# KiCad board mainboard.stretch_bkup.kicad_pcb
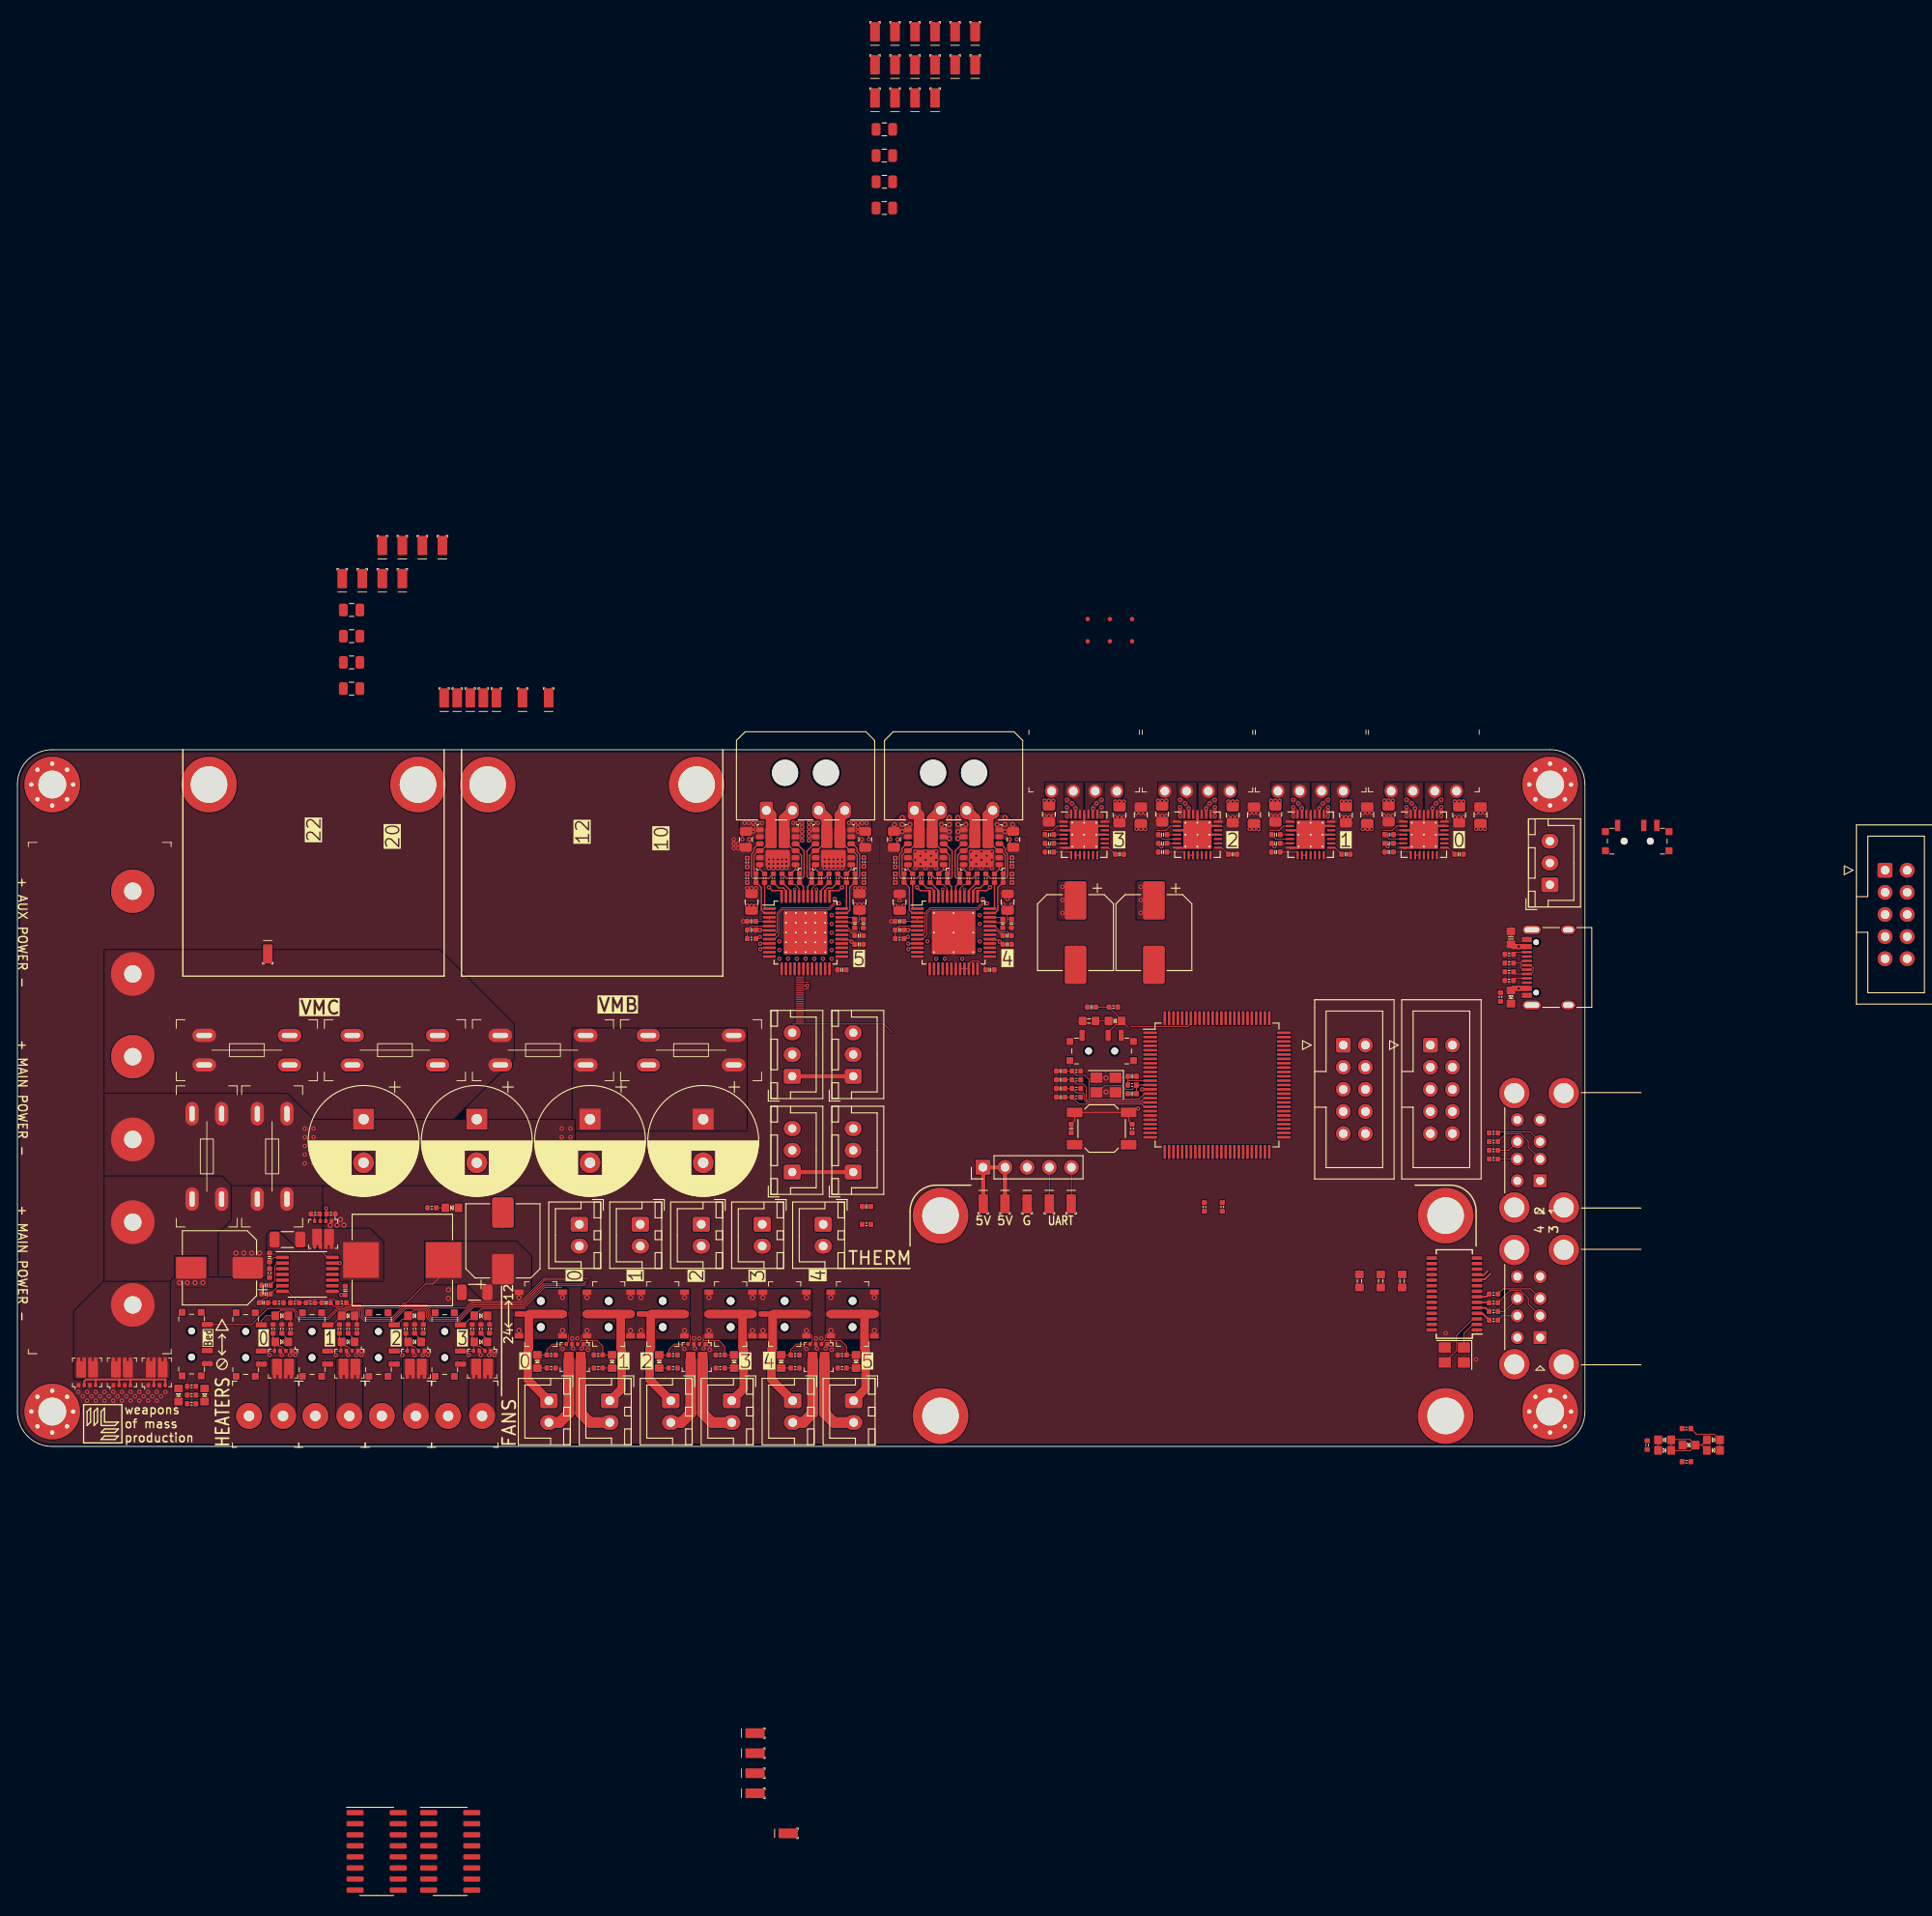
[diagram p0: board, top side]
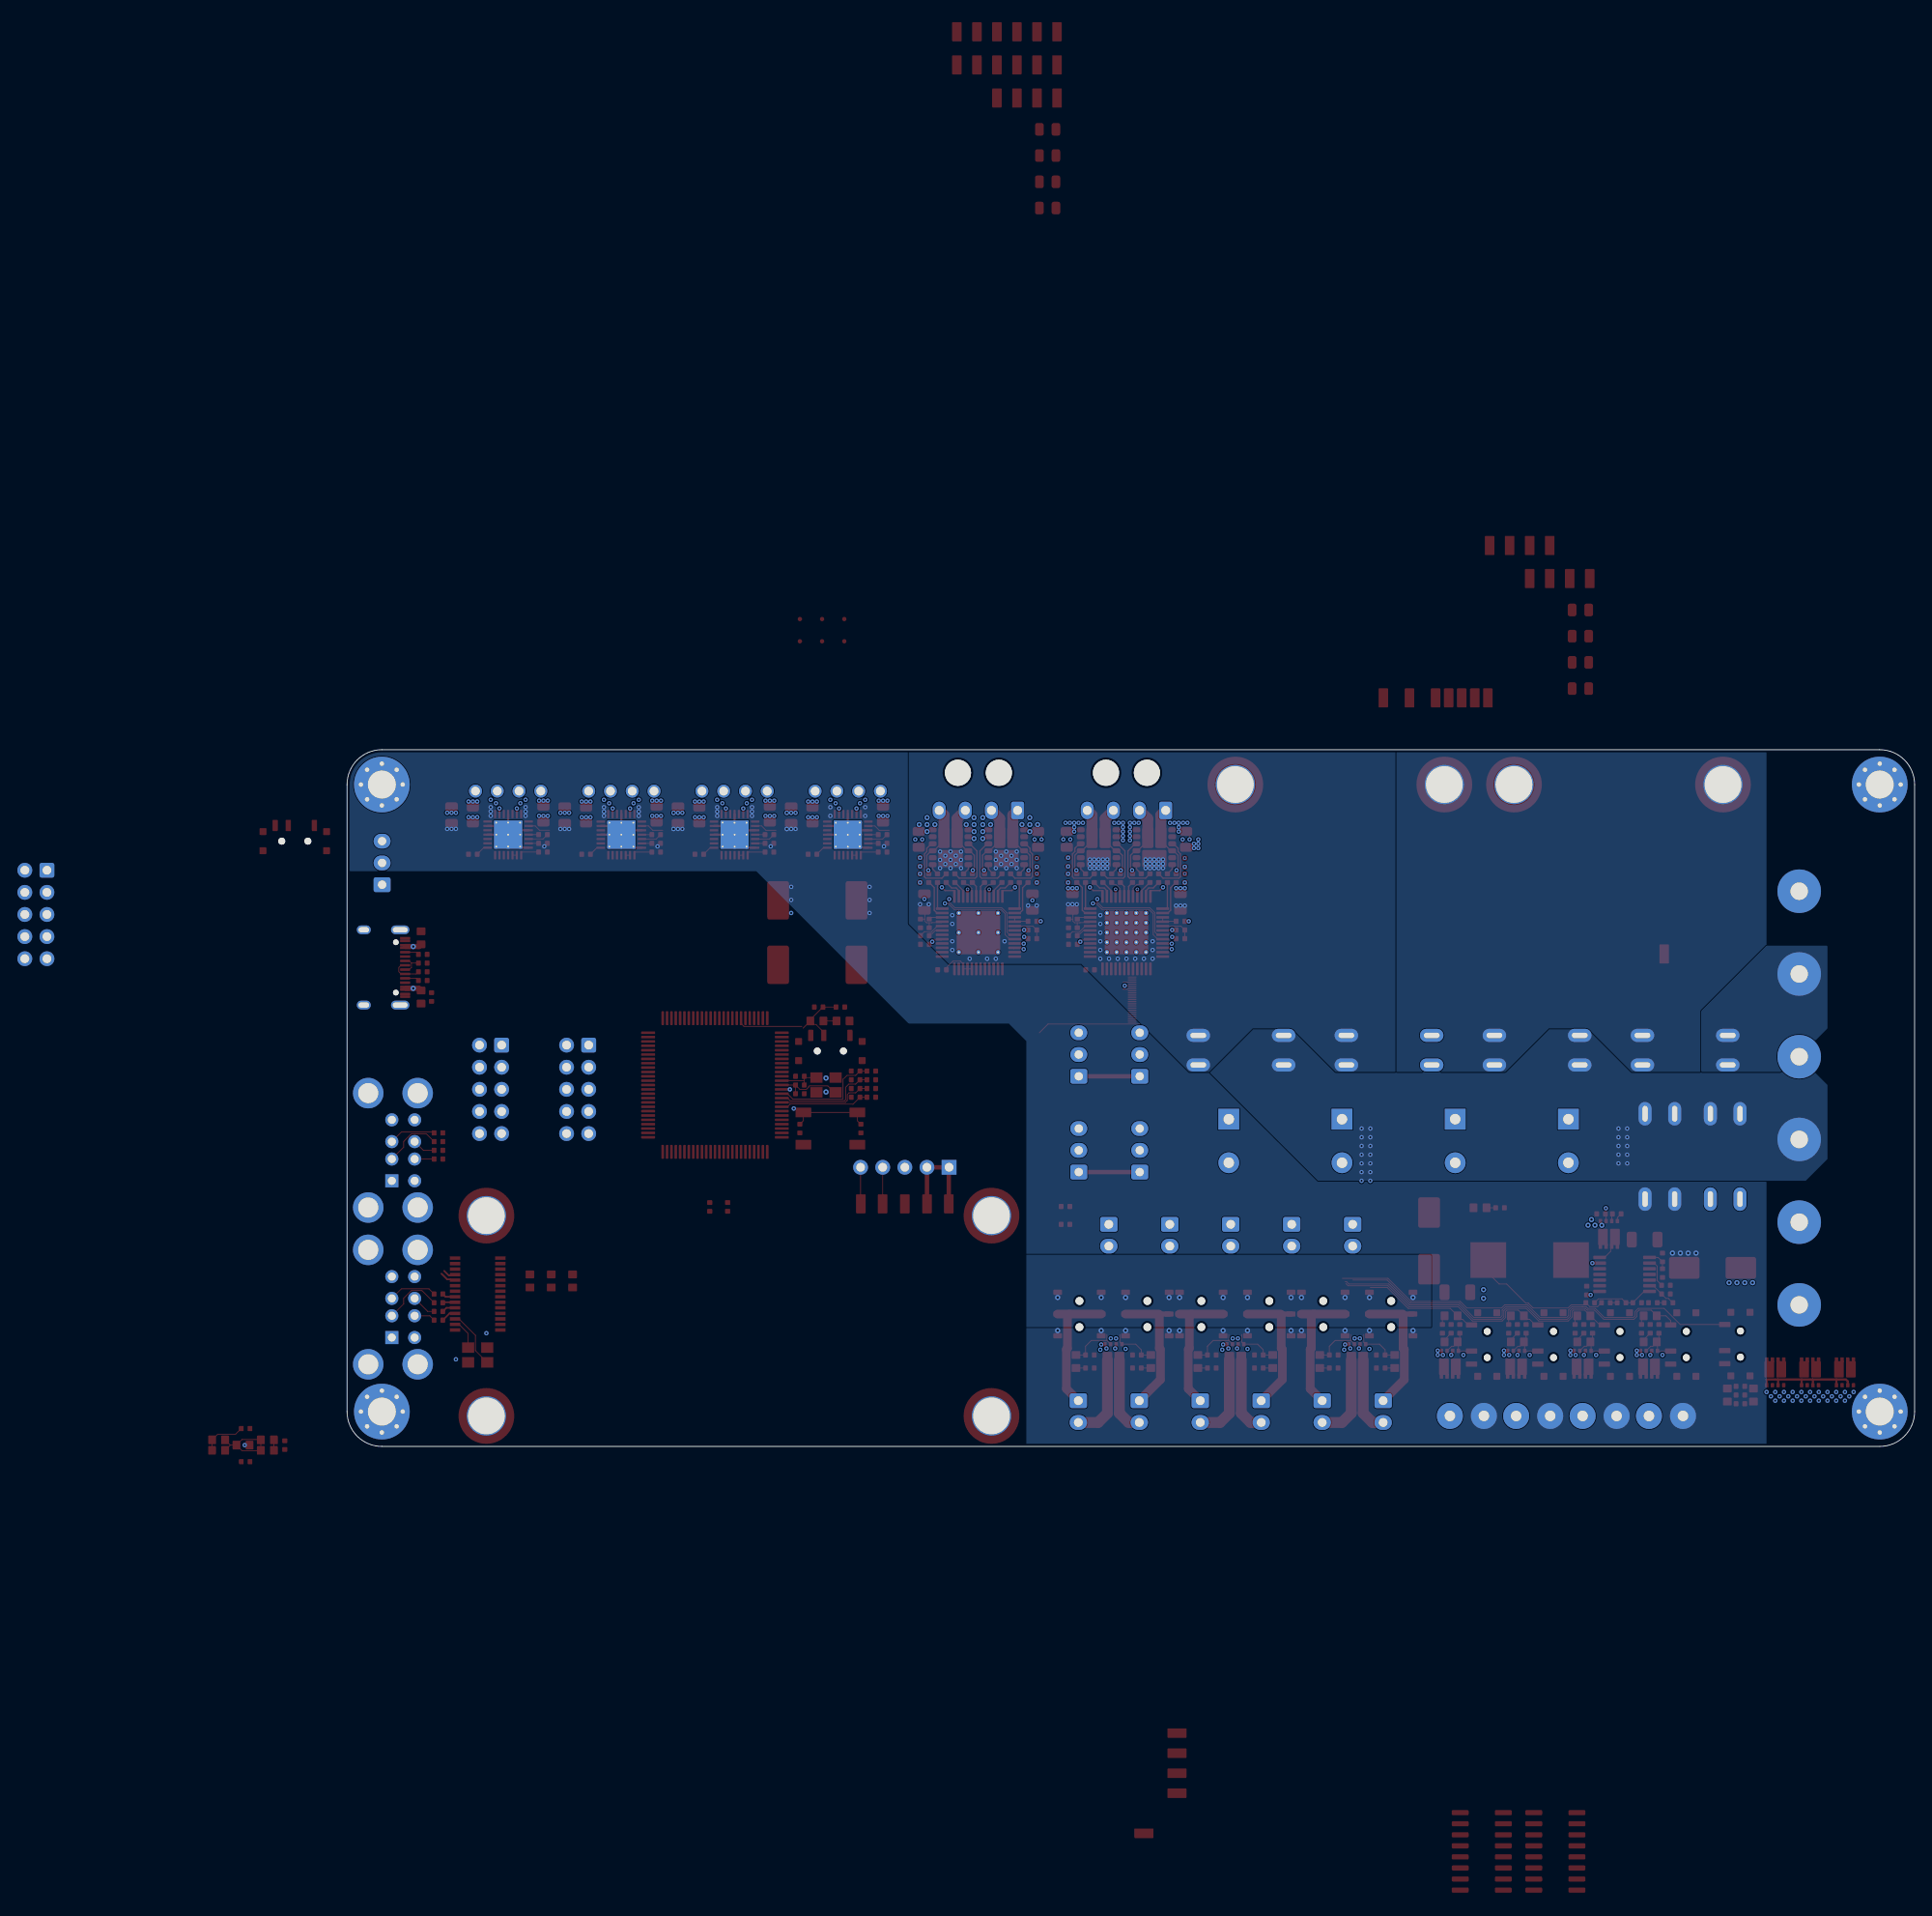
[diagram p1: board, bottom side, seen from below]

Outline 180 x 80 mm; copper layers: Top, In1.Cu (plane), In2.Cu (plane), Bottom. Coordinates in mm from the lower left corner of the outline.
Outline path: 0,76 arc(1.17,78.83) 4,80 176,80 arc(178.83,78.83) 180,76 180,4 arc(178.83,1.17) 176,0 4,0 arc(1.17,1.17) 0,4 0,76
Stack: Top 0.035mm / dielectric 0.1mm FR4 er 4.5 / In1.Cu 0.035mm / dielectric 1.24mm FR4 er 4.5 / In2.Cu 0.035mm / dielectric 0.1mm FR4 er 4.5 / Bottom 0.035mm

## Placement (name value [footprint] x y rotation side)
C1  100nF  [0402C]  123.35 50.45 0 top
C2  20pF  [0402C]  128 42.5 180 top
C3  20pF  [0402C]  128 40.5 0 top
C4  100nF  [0402C]  121 36.5 90 top
C5  10μF  [0603C]  171.5 58.4 90 top
C6  220μF 35V  [CP_Elec_8x10.5]  130.5 59 270 top
C7  470μF 63V  [CP_Radial_D12.5mm_P5.00mm]  39.75 37.57 270 top
C8  220μF 35V  [CP_Elec_8x10.5]  121.5 59 270 top
C9  470μF 63V  [CP_Radial_D12.5mm_P5.00mm]  52.75 37.57 270 top
C10  100nF  [0402C]  165.55 68 0 top
C11  1μF  [0402C]  157.5 68.25 0 top
C12  100nF 16V  [0402C]  157.5 69.25 180 top
C13  22nF 50V  [0402C]  157.5 70.25 180 top
C14  1μF  [C_0805_2012Metric]  168 72.51 270 top
C15  470nF  [0402C]  111.68 54.72 180 top
C16  100nF  [0402C]  152.55 68 0 top
C17  1μF  [0402C]  144.5 68.25 0 top
C18  100nF 16V  [0402C]  144.5 69.25 180 top
C19  22nF 50V  [0402C]  144.5 70.25 180 top
C20  1μF  [C_0805_2012Metric]  155 72.51 270 top
C21  470nF  [0402C]  94.68 54.72 0 top
C22  100nF  [0402C]  139.55 68 0 top
C23  1μF  [0402C]  131.5 68.25 0 top
C24  100nF 16V  [0402C]  131.5 69.25 180 top
C25  22nF 50V  [0402C]  131.5 70.25 180 top
C26  1μF  [C_0805_2012Metric]  142 72.51 270 top
C27  470μF 63V  [CP_Radial_D12.5mm_P5.00mm]  78.75 37.57 270 top
C28  100nF  [0402C]  126.55 68 0 top
C29  1μF  [0402C]  118.5 68.25 0 top
C30  100nF 16V  [0402C]  118.5 69.25 180 top
C31  22nF 50V  [0402C]  118.5 70.25 180 top
C32  1μF  [C_0805_2012Metric]  129 72.51 270 top
C33  470μF 63V  [CP_Radial_D12.5mm_P5.00mm]  65.75 37.57 270 top
C34  100nF 16V  [0402C]  113.15 60.05 270 top
C35  22nF 100V  [0402C]  113.65 58.65 180 top
C36  2.2μF  [0402C]  101.3 60.3 0 top
C37  2.2μF  [0402C]  101.3 59.3 180 top
C38  470nF  [0402C]  113.65 57.65 180 top
C39  100nF  [0402C]  114.15 60.05 270 top
C40  270nF  [0402C]  108.2 65.25 90 top
C41  270nF  [0402C]  101.8 65.25 90 top
C42  270nF  [0402C]  113.2 65.25 270 top
C43  270nF  [0402C]  106.8 65.25 270 top
C44  1μF  [C_0805_2012Metric]  113.7 62.5 90 top
C45  1μF  [C_0805_2012Metric]  101.3 62.5 90 top
C46  100nF 16V  [0402C]  96.15 60.05 270 top
C47  22nF 100V  [0402C]  96.65 58.65 180 top
C48  2.2μF  [0402C]  84.3 60.3 0 top
C49  2.2μF  [0402C]  84.3 59.3 180 top
C50  470nF  [0402C]  96.65 57.65 180 top
C51  100nF  [0402C]  97.15 60.05 270 top
C52  270nF  [0402C]  91.2 65.25 90 top
C53  270nF  [0402C]  84.8 65.25 90 top
C54  270nF  [0402C]  96.2 65.25 270 top
C55  270nF  [0402C]  89.8 65.25 270 top
C56  1μF  [C_0805_2012Metric]  96.7 62.5 90 top
C57  1μF  [C_0805_2012Metric]  84.3 62.5 90 top
C58  1μF  [C_0805_2012Metric]  99.55 151.23 0 top
C59  1μF  [C_0805_2012Metric]  38.38 96.05 0 top
C60  1μF  [C_0805_2012Metric]  99.55 148.22 0 top
C61  1μF  [C_0805_2012Metric]  38.38 93.03 0 top
C62  1μF  [C_0805_2012Metric]  99.55 145.21 0 top
C63  1μF  [C_0805_2012Metric]  99.55 142.2 0 top
C64  1μF  [C_0805_2012Metric]  38.38 90.03 0 top
C65  1μF  [C_0805_2012Metric]  38.38 87.02 0 top
C66  μF  [0402C]  37.65 17.9 270 top
C67  1μF  [0402C]  119.8 43.1 0 top
C68  100nF  [0402C]  28.55 18.5 0 top
C69  1μF  [0402C]  28.95 21.7 270 top
C70  330pF  [0402C]  28.55 17.5 0 top
C71  26nF  [0402C]  28.25 16.5 180 top
C72  330μF 35V  [CP_Elec_8x10]  23.2 20.5 180 top
C73  1nF  [0402C]  35.45 16.5 180 top
C74  10μF  [C_1206_3216Metric]  31 23.75 0 top
C75  1μF  [0402C]  119.8 42.1 0 top
C76  1μF  [0402C]  119.8 41.1 0 top
C77  22μF  [C_1206_3216Metric]  52.5 17.7 0 top
C78  330μF 35V  [CP_Elec_8x10]  55.75 23.6 90 top
C79  1μF  [0402C]  119.8 40.1 0 top
C80  1μF  [0402C]  97.5 27.55 0 top
D1  A  [0603LED]  171.5 51.6 90 top
D2  A  [0603LED]  82.3 9.75 90 top
D3  A  [0603LED]  68.3 9.75 90 top
D4  A  [0603LED]  96.3 9.75 90 top
D5  A  [0603LED]  73.7 9.75 90 top
D6  A  [0603LED]  59.7 9.75 90 top
D7  A  [0603LED]  87.7 9.75 90 top
D8  A  [0603LED]  37.98 12 180 top
D9  A  [0603LED]  30.36 12 180 top
D10  A  [0603LED]  45.61 12 180 top
D11  A  [0603LED]  53.22 15 180 top
D12  A  [0603LED]  18.5 5.9 90 top
D13  A  [0603LED]  37.98 15 180 top
D14  A  [0603LED]  30.36 15 180 top
D15  A  [0603LED]  45.61 15 180 top
D16  A  [0603LED]  53.22 12 180 top
D17  P1  [0603LED]  194.75 0.75 180 top
D18  A  [0603LED]  21.5 5.9 90 top
D19  P3  [0603LED]  194.75 -0.45 0 top
D20  P2  [0603LED]  189.15 0.75 0 top
D21  P4  [0603LED]  189.15 -0.45 180 top
D22  Red  [0603LED]  191.95 0.15 0 top
D23  A  [0603LED]  126.05 48.85 0 top
D24  G  [0603LED]  49.9 27.4 0 top
F1  Fuse  [XF-508P-B]  29.25 33.3 180 top
F2  Fuse  [XF-508P-B]  77.35 45.5 270 top
F3  Fuse  [XF-508P-B]  60.35 45.5 270 top
F4  Fuse  [XF-508P-B]  43.35 45.5 270 top
F5  Fuse  [XF-508P-B]  26.35 45.5 270 top
F6  10A  [XF-508P-B]  21.75 33.3 0 top
FID1  Fiducial  [Fiducial_0.5mm_Mask1mm]  122.9 95 0 top
FID2  Fiducial  [Fiducial_0.5mm_Mask1mm]  122.9 92.45 0 top
FID3  Fiducial  [Fiducial_0.5mm_Mask1mm]  125.45 95 0 top
FID4  Fiducial  [Fiducial_0.5mm_Mask1mm]  125.45 92.45 0 top
FID5  Fiducial  [Fiducial_0.5mm_Mask1mm]  128 95 0 top
FID6  Fiducial  [Fiducial_0.5mm_Mask1mm]  128 92.45 0 top
H1  MountingHole  [MountingHole_3.2mm_M3_Pad_Via]  4 76 0 top
H2  MountingHole  [MountingHole_3.2mm_M3_Pad_Via]  4 4 0 top
H3  MountingHole  [MountingHole_3.2mm_M3_Pad_Via]  176 76 0 top
H4  MountingHole  [MountingHole_3.2mm_M3_Pad_Via]  176 4 0 top
H5  V_{M}  [M3_M2.5_PCB_Nut]  22 76 0 top
H6  Gnd  [M3_M2.5_PCB_Nut]  46 76 0 top
H9  V_{M}  [M3_M2.5_PCB_Nut]  54 76 0 top
H10  Gnd  [M3_M2.5_PCB_Nut]  78 76 0 top
H11  M2.5  [M3_M2.5_PCB_Nut]  106 26.5 0 top
H12  M2.5  [M3_M2.5_PCB_Nut]  106 3.5 0 top
H13  M2.5  [M3_M2.5_PCB_Nut]  164 26.5 0 top
H14  M2.5  [M3_M2.5_PCB_Nut]  164 3.5 0 top
J1  USB 2.0  [USB_C_Receptacle_XKB_U262-16XN-4BVC11]  177 55 90 top
J2  Conn_01x05_Pin  [PinHeader_1x05_P2.54mm_Vertical]  110.87 32.05 90 top
J3  JST XH  [JST_XH_B3B-XH-A_1x03_P2.50mm_Vertical]  88.97 31.5 90 top
J4  JST XH  [JST_XH_B3B-XH-A_1x03_P2.50mm_Vertical]  95.97 31.5 90 top
J5  JST XH  [JST_XH_B3B-XH-A_1x03_P2.50mm_Vertical]  88.97 42.5 90 top
J6  JST XH  [JST_XH_B3B-XH-A_1x03_P2.50mm_Vertical]  95.97 42.5 90 top
J7  JST XH  [JST_XH_B2B-XH-A_1x02_P2.50mm_Vertical]  75.03 5.25 270 top
J8  JST XH  [JST_XH_B2B-XH-A_1x02_P2.50mm_Vertical]  61.03 5.25 270 top
J9  Power In  [DBT50G-9.5-6P]  13.25 40 270 top
J10  EXP1  [IDC-Header_2x05_P2.54mm_Vertical]  162.25 46.08 0 top
J11  EXP2  [IDC-Header_2x05_P2.54mm_Vertical]  152.25 46.08 0 top
J12  JST XH  [JST_XH_B2B-XH-A_1x02_P2.50mm_Vertical]  89.02 5.25 270 top
J13  USB_A_Stacked  [USB_A_CUI_UJ2-ADH-TH_Horizontal_Stacked]  174.86 30.5 180 top
J14  JST XH  [JST_XH_B2B-XH-A_1x02_P2.50mm_Vertical]  82.02 5.25 270 top
J15  JST XH  [JST_XH_B2B-XH-A_1x02_P2.50mm_Vertical]  68.02 5.25 270 top
J16  JST XH  [JST_XH_B2B-XH-A_1x02_P2.50mm_Vertical]  96.02 5.25 270 top
J17  Screw_Terminal_01x02  [DB125-3.81-2P]  36.12 3.5 0 top
J18  Screw_Terminal_01x02  [DB125-3.81-2P]  28.5 3.5 0 top
J19  Screw_Terminal_01x02  [DB125-3.81-2P]  43.75 3.5 0 top
J20  Screw_Terminal_01x02  [DB125-3.81-2P]  51.36 3.5 0 top
J21  USB_A_Stacked  [USB_A_CUI_UJ2-ADH-TH_Horizontal_Stacked]  174.86 12.5 180 top
J22  SPI-something  [IDC-Header_2x05_P2.54mm_Vertical]  214.46 66.16 0 top
J23  JST XH  [JST_XH_B2B-XH-A_1x02_P2.50mm_Vertical]  64.53 25.5 270 top
J24  JST XH  [JST_XH_B3B-XH-A_1x03_P2.50mm_Vertical]  175.97 64.5 90 top
J25  JST XH  [JST_XH_B2B-XH-A_1x02_P2.50mm_Vertical]  71.52 25.5 270 top
J26  JST XH  [JST_XH_B2B-XH-A_1x02_P2.50mm_Vertical]  78.53 25.5 270 top
J27  JST XH  [JST_XH_B2B-XH-A_1x02_P2.50mm_Vertical]  85.53 25.5 270 top
J28  JST XH  [JST_XH_B2B-XH-A_1x02_P2.50mm_Vertical]  92.53 25.5 270 top
L1  4.7μH  [L_Sunlord_MWSA1004S]  44.2 21.4 0 top
M1  JST XH  [XKB_X8821WR-04S]  161.5 75.25 0 top
M2  JST XH  [XKB_X8821WR-04S]  148.5 75.25 0 top
M3  JST XH  [XKB_X8821WR-04S]  135.5 75.25 0 top
M4  JST XH  [XKB_X8821WR-04S]  122.5 75.25 0 top
M5  Micro-Fit 3.0  [Molex_Micro-Fit_3.0_43650-0400_1x04_P3.00mm_Horizontal]  103 73.03 0 top
M6  Micro-Fit 3.0  [Molex_Micro-Fit_3.0_43650-0400_1x04_P3.00mm_Horizontal]  86 73.03 0 top
Q1  -  [AGM308MBP]  64 10.27 180 top
Q2  -  [AGM308MBP]  78 10.27 180 top
Q3  -  [AGM308MBP]  92 10.27 180 top
Q4  -  [AGM308MBP]  30.5 9.5 180 top
Q5  -  [AGM308MBP]  38.12 9.5 180 top
Q6  -  [AGM308MBP]  45.75 9.5 180 top
Q7  -  [AGM308MBP]  53.36 9.5 180 top
Q8  -  [AGM308MBP]  8 8.5 0 top
Q9  -  [AGM308MBP]  12 8.5 0 top
Q10  -  [AGM308MBP]  16 8.5 0 top
Q11  -  [AGM308MBP]  35.1 24.4 180 top
QA1  DMHT6016LFJ  [V-DFN5045-12-Type-B]  110.7 68.8 180 top
QA2  DMHT6016LFJ  [V-DFN5045-12-Type-B]  93.7 68.8 180 top
QB1  DMHT6016LFJ  [V-DFN5045-12-Type-B]  104.3 68.8 180 top
QB2  DMHT6016LFJ  [V-DFN5045-12-Type-B]  87.3 68.8 180 top
R1  50kΩ  [0402R]  125.85 50.45 0 top
R2  50kΩ  [0402R]  128 36.5 270 top
R3  xyzkΩ  [0402R]  128 41.5 0 top
R4  33Ω  [0402R]  171.3 54.5 0 top
R5  33Ω  [0402R]  171.3 55.5 0 top
R6  1kΩ  [0402R]  170.3 51.6 270 top
R7  5.1kΩ  [0402R]  171.3 53.5 0 top
R8  5.1kΩ  [0402R]  171.3 56.5 0 top
R9  330Ω  [0402R]  191.65 2.05 180 top
R10  330Ω  [0402R]  187.15 0.15 90 top
R11  100mΩ  [R_0805_2012Metric]  165.55 72.5 90 top
R12  100mΩ  [R_0805_2012Metric]  157.45 72.6 90 top
R13  100mΩ  [R_0805_2012Metric]  152.55 72.5 90 top
R14  100mΩ  [R_0805_2012Metric]  144.45 72.59 90 top
R15  100mΩ  [R_0805_2012Metric]  139.55 72.5 90 top
R16  100mΩ  [R_0805_2012Metric]  131.45 72.59 90 top
R17  100mΩ  [R_0805_2012Metric]  126.55 72.5 90 top
R18  100mΩ  [R_0805_2012Metric]  118.45 72.59 90 top
R19  2.2Ω  [0402R]  101.3 58.3 0 top
R20  10Ω  [0402R]  112.2 65.25 90 top
R21  10Ω  [0402R]  111.2 65.25 90 top
R22  47Ω  [0402R]  114.2 65.25 270 top
R23  47Ω  [0402R]  114.2 67.1 270 top
R24  30mΩ  [R_0805_2012Metric]  114.35 69.7 270 top
R25  10Ω  [0402R]  109.2 65.25 90 top
R26  10Ω  [0402R]  110.2 65.25 90 top
R27  10Ω  [0402R]  105.8 65.25 90 top
R28  10Ω  [0402R]  104.8 65.25 90 top
R29  47Ω  [0402R]  100.8 65.25 270 top
R30  47Ω  [0402R]  100.8 67.05 270 top
R31  30mΩ  [R_0805_2012Metric]  100.65 69.7 270 top
R32  10Ω  [0402R]  102.8 65.25 90 top
R33  10Ω  [0402R]  103.8 65.25 90 top
R34  2.2Ω  [0402R]  84.3 58.3 0 top
R35  10Ω  [0402R]  95.2 65.25 90 top
R36  10Ω  [0402R]  94.2 65.25 90 top
R37  47Ω  [0402R]  97.2 65.25 270 top
R38  47Ω  [0402R]  97.2 67.1 270 top
R39  30mΩ  [R_0805_2012Metric]  97.35 69.7 270 top
R40  10Ω  [0402R]  92.2 65.25 90 top
R41  10Ω  [0402R]  93.2 65.25 90 top
R42  10Ω  [0402R]  88.8 65.25 90 top
R43  10Ω  [0402R]  87.8 65.25 90 top
R44  47Ω  [0402R]  83.8 65.25 270 top
R45  47Ω  [0402R]  83.8 67.05 270 top
R46  30mΩ  [R_0805_2012Metric]  83.65 69.7 270 top
R47  10Ω  [0402R]  85.8 65.25 90 top
R48  10Ω  [0402R]  86.8 65.25 90 top
R49  1kΩ  [0402R]  80.7 9 180 top
R50  1kΩ  [0402R]  37.98 13.5 90 top
R51  10kΩ  [0402R]  80.7 10.5 180 top
R52  10kΩ  [0402R]  36.98 13.5 90 top
R53  1kΩ  [0402R]  66.7 9 180 top
R54  10kΩ  [0402R]  66.7 10.5 180 top
R55  1kΩ  [0402R]  94.7 9 180 top
R56  10kΩ  [0402R]  94.7 10.5 180 top
R57  1kΩ  [0402R]  75.3 9 0 top
R58  10kΩ  [0402R]  75.3 10.5 0 top
R59  1kΩ  [0402R]  61.3 9 0 top
R60  10kΩ  [0402R]  61.3 10.5 0 top
R61  1kΩ  [0402R]  89.3 9 0 top
R62  10kΩ  [0402R]  89.3 10.5 0 top
R63  1kΩ  [0402R]  30.36 13.5 90 top
R64  10kΩ  [0402R]  29.36 13.5 90 top
R65  1kΩ  [0402R]  45.61 13.5 90 top
R66  10kΩ  [0402R]  44.61 13.5 90 top
R67  1kΩ  [0402R]  54.22 13.5 270 top
R68  1kΩ  [0402R]  53.22 13.5 90 top
R69  1kΩ  [0402R]  20 6.9 180 top
R70  1kΩ  [0402R]  38.98 13.5 270 top
R71  1kΩ  [0402R]  31.36 13.5 270 top
R72  1kΩ  [0402R]  46.61 13.5 270 top
R73  10kΩ  [0402R]  52.22 13.5 90 top
R74  330Ω  [0402R]  191.65 -1.75 0 top
R75  2.7kΩ  [0603R]  159 19 270 top
R76  1kΩ  [0402R]  20 5.9 180 top
R77  10kΩ  [0402R]  20 4.9 0 top
R78  33Ω  [0402R]  169.5 36 180 top
R79  33Ω  [0402R]  169.5 35 180 top
R80  33Ω  [0402R]  169.5 34 180 top
R81  33Ω  [0402R]  169.5 33 180 top
R82  33Ω  [0402R]  169.5 17.5 180 top
R83  33Ω  [0402R]  169.5 16.5 180 top
R84  33Ω  [0402R]  169.5 15.5 180 top
R85  33Ω  [0402R]  169.5 14.5 180 top
R86  33Ω  [0402R]  138.35 27.5 270 top
R87  33Ω  [0402R]  136.3 27.5 270 top
R88  10kΩ  [0603R]  156.55 19 270 top
R89  10kΩ  [0603R]  154.1 19 270 top
R90  1kΩ  [0603R]  123.05 48.85 0 top
R91  Ω  [0402R]  34.2 26.7 0 top
R92  Ω  [0402R]  36 26.7 0 top
R93  Ω  [0402R]  37.25 16.5 180 top
R94  Ω  [0402R]  31.85 16.5 180 top
R95  100kΩ  [0402R]  28.95 19.9 90 top
R96  1kΩ  [0402R]  47.6 27.4 0 top
R97  2.41kΩ  [0402R]  30.05 16.5 180 top
R98  Ω  [0402R]  33.65 16.5 180 top
R101  4.7kΩ  [0402R]  121.6 43.1 0 top
R102  4.7kΩ  [0402R]  121.6 42.1 0 top
R103  4.7kΩ  [0402R]  121.6 41.1 0 top
R104  4.7kΩ  [0402R]  121.6 40.1 0 top
R105  4.7kΩ  [0402R]  97.5 25.5 0 top
SW1  SW_SPDT  [MSS12C02-LS]  49.07 11.7 270 top
SW2  Reset  [SW_SPST_SKQG_WithStem]  124.5 36.5 180 top
SW3  SPDT, 2A  [MS-22C01_SPDT]  60.1 15.2 0 top
SW4  SPDT, 2A  [MS-22C01_SPDT]  67.9 15.2 180 top
SW5  SPDT, 2A  [MS-22C01_SPDT]  74.1 15.2 0 top
SW6  SPDT, 2A  [MS-22C01_SPDT]  81.9 15.2 180 top
SW7  SPDT, 2A  [MS-22C01_SPDT]  88.1 15.2 0 top
SW8  SPDT, 2A  [MS-22C01_SPDT]  95.9 15.2 180 top
SW9  SW_SPDT  [MSS12C02-LS]  20 11.75 270 top
SW10  SW_SPDT  [MSS12C02-LS]  33.83 11.7 270 top
SW11  SW_SPDT  [MSS12C02-LS]  26.21 11.7 270 top
SW12  SW_SPDT  [MSS12C02-LS]  41.46 11.7 270 top
SW13  SW_SPDT  [MSS12C02-LS]  186 69.5 0 top
SW14  SW_SPDT  [MSS12C02-LS]  124.5 45.4 0 top
T1  V_{SA}  [LGA_Spring]  98.47 162.99 0 top
T4  SClk  [LGA_Spring]  100.78 162.99 0 top
T5  Gnd  [LGA_Spring]  103.07 162.99 0 top
T6  MOSI  [LGA_Spring]  105.38 162.99 0 top
T7  MISO  [LGA_Spring]  107.68 162.99 0 top
T8  V_{CC}IO  [LGA_Spring]  109.97 162.99 0 top
T9  TestPoint  [LGA_Spring]  98.47 159.19 0 top
T10  TestPoint  [LGA_Spring]  100.78 159.19 0 top
T11  TestPoint  [LGA_Spring]  103.07 159.19 0 top
T12  TestPoint  [LGA_Spring]  105.38 159.19 0 top
T13  TestPoint  [LGA_Spring]  107.68 159.19 0 top
T16  5V  [LGA_Spring]  110.9 27.3 180 top
T17  5V  [LGA_Spring]  113.4 27.3 180 top
T18  Gnd  [LGA_Spring]  115.95 27.3 180 top
T19  TXD  [LGA_Spring]  118.5 27.3 180 top
T20  RXD  [LGA_Spring]  121 27.3 180 top
T21  Gnd  [LGA_Spring]  89.05 -44.43 270 top
T22  5VDet  [LGA_Spring]  85.25 -32.93 270 top
T23  D+  [LGA_Spring]  85.25 -35.22 270 top
T24  D-  [LGA_Spring]  85.25 -37.52 270 top
T25  Shield  [LGA_Spring]  85.25 -39.82 270 top
T26  TestPoint  [LGA_Spring]  109.97 159.19 0 top
T27  TestPoint  [LGA_Spring]  98.47 155.38 0 top
T28  TestPoint  [LGA_Spring]  100.78 155.38 0 top
T29  TestPoint  [LGA_Spring]  103.07 155.38 0 top
T32  TestPoint  [LGA_Spring]  105.38 155.38 0 top
T33  V_{SA}  [LGA_Spring]  28.75 56 180 top
T36  SClk  [LGA_Spring]  49 86.5 0 top
T37  Gnd  [LGA_Spring]  50.5 86.5 0 top
T38  MOSI  [LGA_Spring]  52 86.5 0 top
T39  MISO  [LGA_Spring]  53.5 86.5 0 top
T40  V_{CC}IO  [LGA_Spring]  55 86.5 0 top
T41  TestPoint  [LGA_Spring]  61 86.5 0 top
T42  TestPoint  [LGA_Spring]  58 86.5 0 top
T43  TestPoint  [LGA_Spring]  41.9 104 0 top
T44  TestPoint  [LGA_Spring]  44.2 104 0 top
T45  TestPoint  [LGA_Spring]  46.5 104 0 top
T46  TestPoint  [LGA_Spring]  48.8 104 0 top
T47  TestPoint  [LGA_Spring]  37.3 100.2 0 top
T48  TestPoint  [LGA_Spring]  39.6 100.2 0 top
T49  TestPoint  [LGA_Spring]  41.9 100.2 0 top
T50  TestPoint  [LGA_Spring]  44.2 100.2 0 top
U1  STM32F407VGTx  [LQFP-100_14x14mm_P0.5mm]  137.75 41.5 0 top
U2  TMC2208-LA  [TQFN-28-1EP_5x5mm_P0.5mm_EP3.25x3.25mm_ThermalVias]  161.5 70.25 0 top
U3  TMC2208-LA  [TQFN-28-1EP_5x5mm_P0.5mm_EP3.25x3.25mm_ThermalVias]  148.5 70.25 0 top
U4  TMC2208-LA  [TQFN-28-1EP_5x5mm_P0.5mm_EP3.25x3.25mm_ThermalVias]  135.5 70.25 0 top
U5  TMC2208-LA  [TQFN-28-1EP_5x5mm_P0.5mm_EP3.25x3.25mm_ThermalVias]  122.5 70.25 0 top
U6  TMC5160A-TA  [TQFP-48-1EP_7x7mm_P0.5mm_EP5x5mm_ThermalVias]  107.5 59 0 top
U7  TMC5160A-TA  [TQFP-48-1EP_7x7mm_P0.5mm_EP5x5mm_ThermalVias#2]  90.5 59 0 top
U8  4504  [SOIC-16_3.9x9.9mm_P1.27mm]  41.25 -46.5 0 top
U9  4504  [SOIC-16_3.9x9.9mm_P1.27mm]  49.7 -46.5 0 top
U10  USB2 Hub  [SSOP-28_3.9x9.9mm_P0.635mm]  165 17.5 180 top
U11  NCP3011  [TSSOP-14_4.4x5mm_P0.65mm]  33.3 19.75 0 top
Y1  12 MHz  [Crystal_SMD_3225-4Pin_3.2x2.5mm]  125 41.5 180 top
Y2  12MHz  [Crystal_SMD_3225-4Pin_3.2x2.5mm]  165 10.5 180 top
